# Altium PCB interface_pcb.PcbDoc
Units mm, origin at the board's own origin, x right, y up, seen from the top; angles counter-clockwise.
Board outline 150.97 x 42.8 mm, 2 copper layers (Top Layer, Bottom Layer); 54 components, 58 nets, 232 pads, 49 vias.
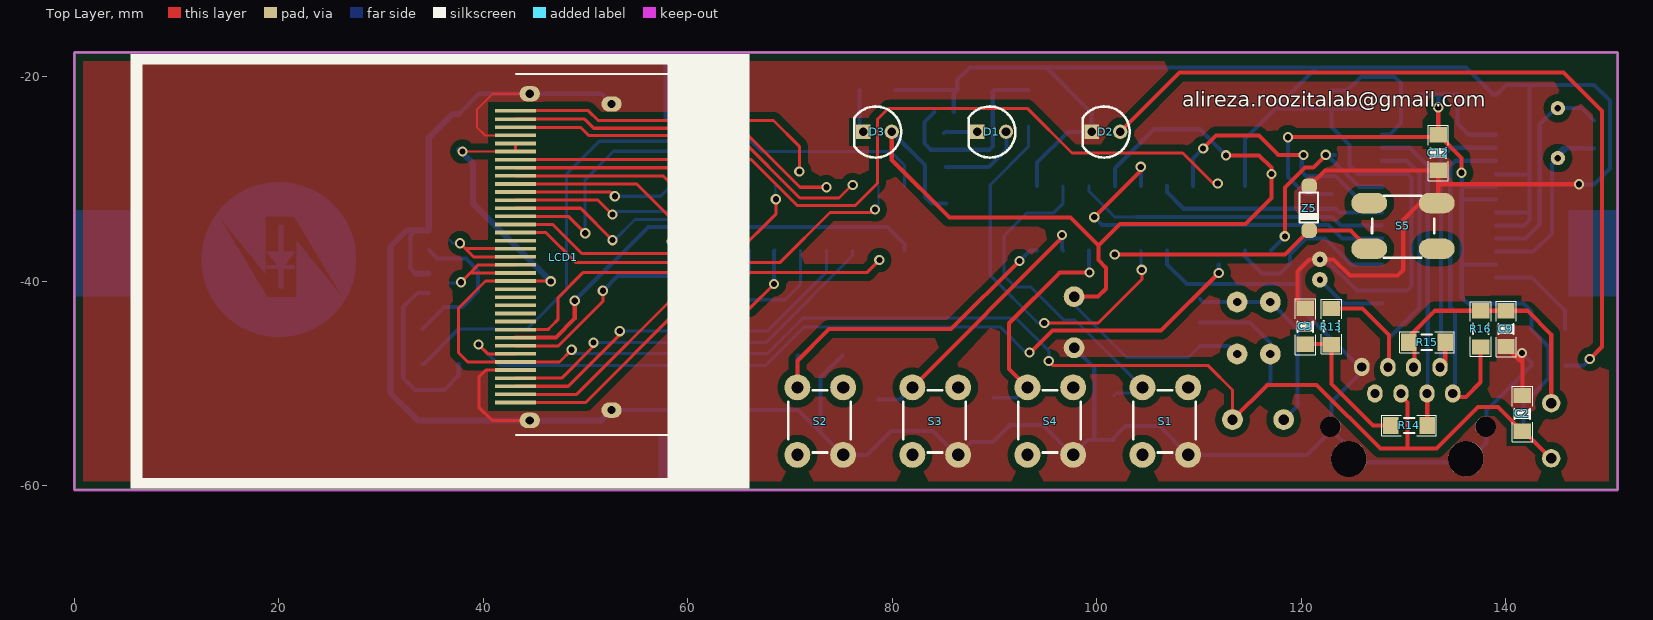
[diagram p0: Top Layer view]
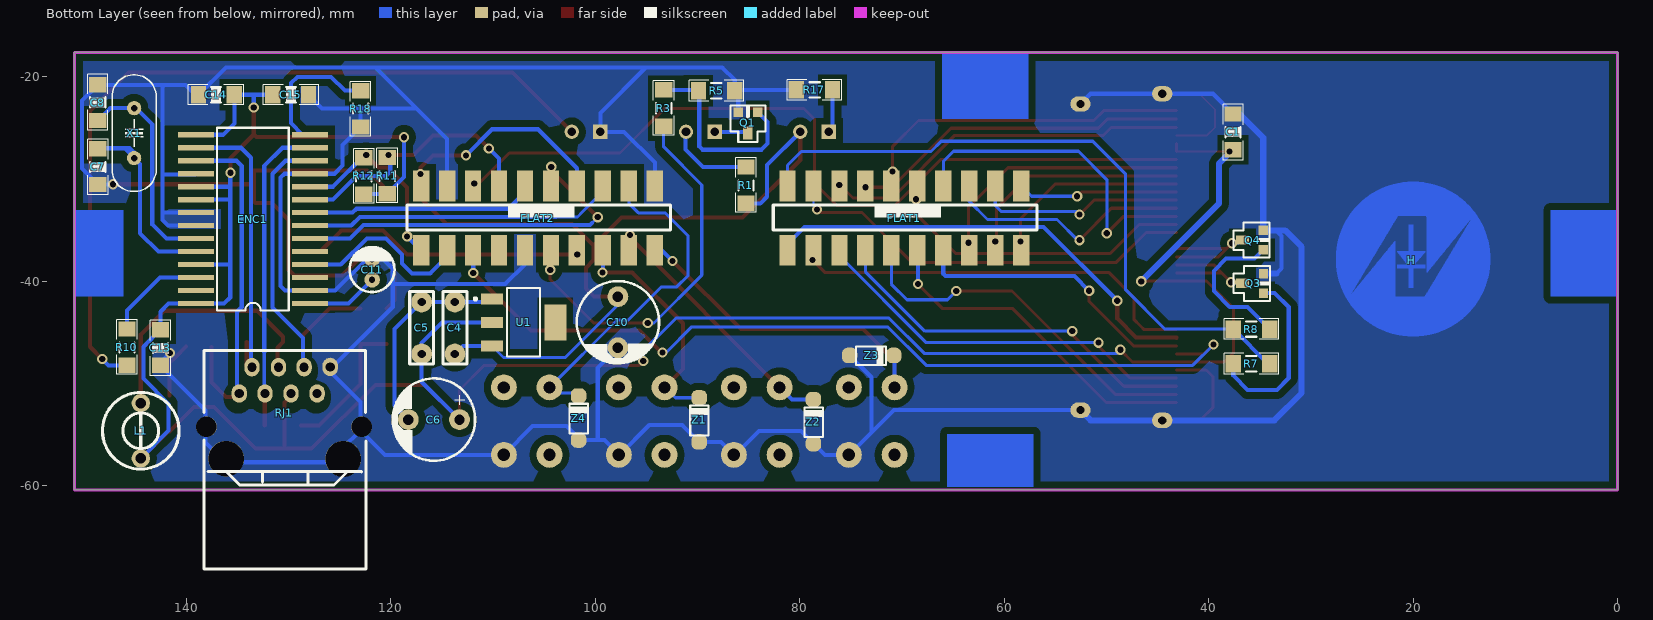
[diagram p1: Bottom Layer view, seen from below]
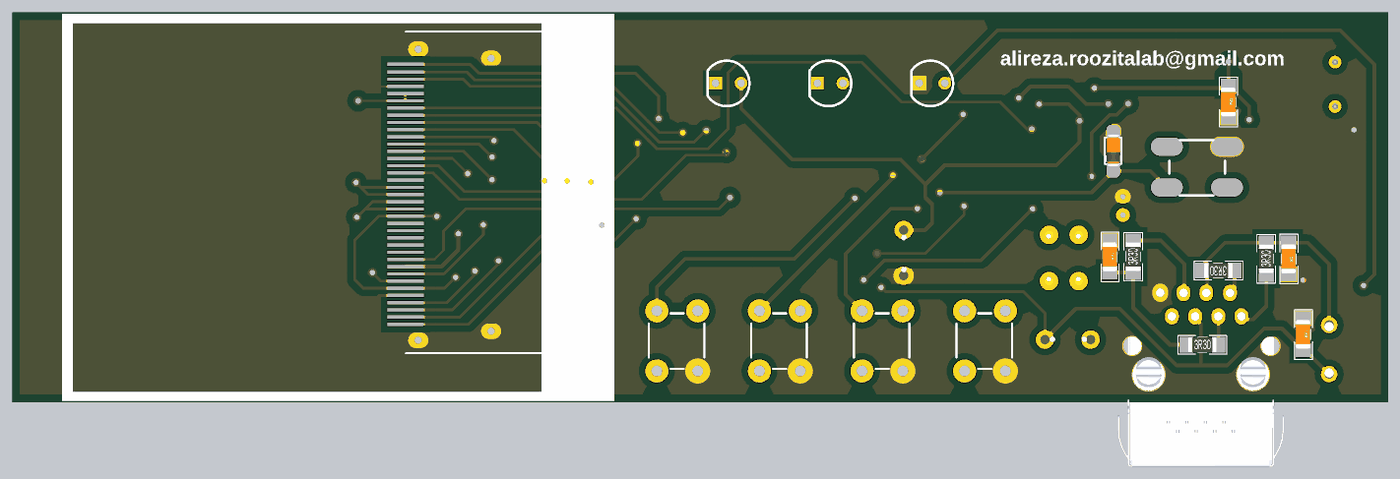
[diagram p2: 3D render of the assembled board from above, using the file's embedded part models]
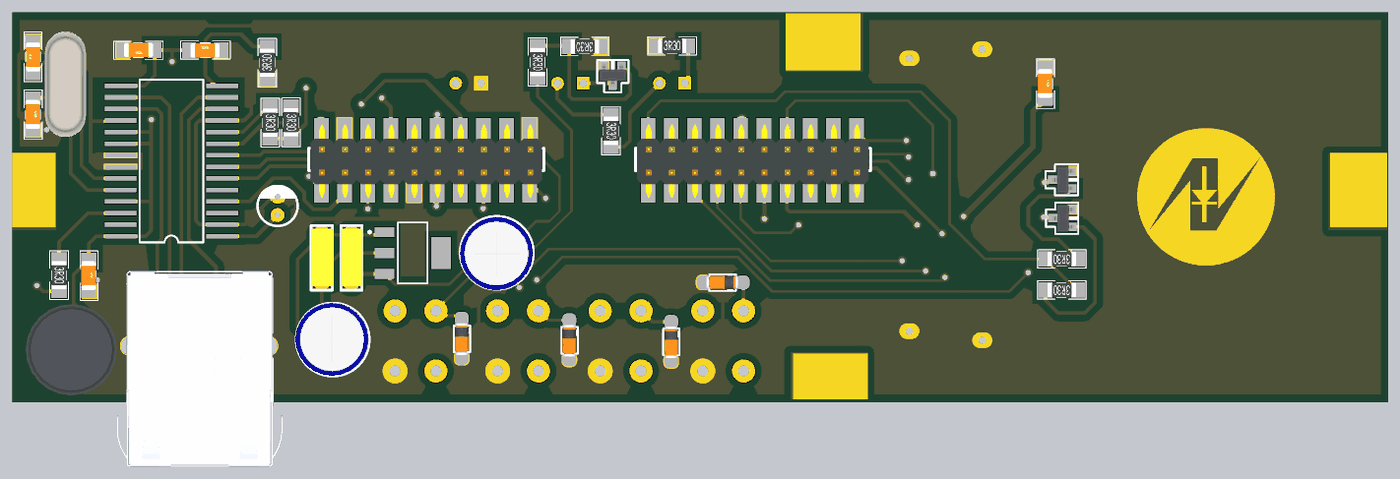
[diagram p3: 3D render of the assembled board from below, using the file's embedded part models]

## Layer stack, top to bottom
Top Solder: solder mask 0.0102, Solder Resist, Dk 3.5
Top Layer: signal copper 0.0356
Dielectric1: dielectric 0.32, FR-4, Dk 4.8
Bottom Layer: signal copper 0.0356
Bottom Solder: solder mask 0.0102, Solder Resist, Dk 3.5

## Board outline
0,-60.425 150.975,-60.425 150.975,-17.625 0,-17.625

## Design rules (kind name [scope] priority, off if disabled: settings)
Clearance [All] p1: gap=0.7 ignorepadtopadclearanceinfootprint=FALSE except(0: Arc-Hole Track-Hole SMDPad-Hole THPad-Hole Via-Hole Fill-Hole Poly-Hole Region-Hole Text-Hole)
FabricationTestPointUsage TestPointUsage [All] p1: valid=0 allowmultiple=FALSE
FabricationTestpoint Testpoint [All] p1: side=3 testpointundercomponent=TRUE minsize=1.016 maxsize=2.54 preferedsize=1.524 minholesize=0 maxholesize=1.016 preferedholesize=0.813 testpointgrid=0.025 allowsidetop=TRUE allowsidebottom=TRUE usegrid=TRUE gridtolerance=0
PlaneConnect [All] p1: planeconnectstyle=Direct reliefexpansion=0.508 reliefentries=4 reliefconductorwidth=0.254 reliefairgap=0.254
PolygonConnect [All] p1: connectstyle=Direct reliefconductorwidth=0.254 reliefentries=4 polygonreliefangle="90 Angle" airgapwidth=0.254
RoutingVias [All] p1: holewidth=0.6 width=1 viastyle="Through Hole" minholewidth=0.6 minwidth=1 maxholewidth=0.6 maxwidth=1
SilkToSolderMaskClearance SilkscreenOverComponentPads [IsPad] p1: minsilkscreentomaskgap=0.254 clearancetoexposedcopper=TRUE
SolderMaskExpansion [All] p1: expansion=0.102
Width [All] p1: maxlimit=0.6 minlimit=0.3 preferedwidth=0.4
26 further rules are at their usual default settings.

## Components (designator, comment, footprint, x,y, rotation, side; value= is the part's Value field where it differs from the comment)
C1 "Cap" "CAP 1206 (3216X08L)" 37.625,-24.15 r270 bottom
C2 "Cap" "CAP 1206 (3216X08L)" 141.65,-51.7 r270 top
C3 "Cap" "CAP 1206 (3216X08L)" 120.425,-43.175 r270 top
C4 "Cap" "REC 10N" 113.75,-42.05 r270 bottom
C5 "Cap" "REC 10N" 117,-42.05 r270 bottom
C6 "Cap Pol1" "POL 100U/25V" 113.3,-53.55 r0 bottom
C7 "Cap" "CAP 1206 (3216X08L)" 148.675,-27.55 r270 bottom
C8 "Cap" "CAP 1206 (3216X08L)" 148.675,-23.8 r90 bottom
C9 "Cap" "CAP 1206 (3216X08L)" 140.05,-43.4 r270 top
C10 "Cap Pol1" "POL 220U/35V" 97.8,-41.525 r270 bottom
C11 "Cap Pol1" "POL 10U16V" 121.85,-38.875 r270 bottom
C12 "Cap" "CAP 1206 (3216X08L)" 133.425,-26.175 r270 top
C13 "Cap" "CAP 1206 (3216X08L)" 142.55,-45.25 r270 bottom
C14 "Cap" "CAP 1206 (3216X08L)" 135.825,-21.775 r0 bottom
C15 "Cap" "CAP 1206 (3216X08L)" 131.075,-21.775 r180 bottom
D1 "LED0" "LED 3MM A" 88.25,-25.5 r0 top
D2 "LED0" "LED 3MM A" 99.425,-25.5 r0 top
D3 "LED0" "LED 3MM A" 77.075,-25.5 r0 top
ENC1 "ENC28J60" SOP28 127.925,-42.2 r90 bottom
FLAT1 "MHDR2X10" "box 20 smd" 58.35,-32.675 r180 bottom
FLAT2 "MHDR2X10" "box 20 smd" 94.19,-32.675 r180 bottom
H "Comment" PCBComponent_1 20.125,-37.975 r180 bottom
L1 "Inductor" TR 144.475,-51.925 r270 bottom
LCD1 "TFT lcd 2.8" "LCD 2.4 37PIN" 66.05,-53.625 r90 top
Q1 "2N3904" 2N3906_SMD 84.125,-23.475 r0 bottom
Q3 "2N3904" 2N3906_SMD 34.65,-41.175 r90 bottom
Q4 "2N3904" 2N3906_SMD 34.675,-36.95 r90 bottom
R1 "Res2" "RES 1206 (3216X08L)" 85.276,-29.349 r270 bottom
R3 "Res2" "RES 1206 (3216X08L)" 93.325,-21.8 r270 bottom
R5 "Res2" "RES 1206 (3216X08L)" 86.875,-21.375 r0 bottom
R7 "Res2" "RES 1206 (3216X08L)" 34.554,-48.099 r0 bottom
R8 "Res2" "RES 1206 (3216X08L)" 34.554,-44.699 r0 bottom
R10 "Res2" "RES 1206 (3216X08L)" 145.825,-45.2 r270 bottom
R11 "Res2" "RES 1206 (3216X08L)" 120.375,-28.425 r270 bottom
R12 "Res2" "RES 1206 (3216X08L)" 122.65,-28.45 r270 bottom
R13 "Res2" "RES 1206 (3216X08L)" 122.975,-45.725 r90 top
R14 "Res2" "RES 1206 (3216X08L)" 129.3,-54.125 r0 top
R15 "Res2" "RES 1206 (3216X08L)" 133.6,-45.975 r180 top
R16 "Res2" "RES 1206 (3216X08L)" 137.575,-45.95 r90 top
R17 "Res1" "RES 1206 (3216X08L)" 79.85,-21.3 r180 bottom
R18 "Res2" "RES 1206 (3216X08L)" 122.975,-24.425 r90 bottom
RJ1 "HR911105A" HR91105 130.375,-57.5 r0 bottom
S1 "SW-DPST" SW4#1 104.479,-57.025 r90 top
S2 "SW-DPST" SW4#1 70.725,-57.025 r90 top
S3 "SW-DPST" SW4#1 81.976,-57.025 r90 top
S4 "SW-DPST" SW4#1 93.228,-57.025 r90 top
S5 "SW-DPST" SW4#2 133.3,-36.85 r180 top
U1 "ASM1117-3.3" SOT-223 107.025,-44.05 r270 bottom
X1 "25MEG" "XTAL Small" 145.125,-25.525 r90 bottom
Z1 "Zener 12V" "Diode-1n4148 - SMD PAD" 89.85,-56.75 r90 bottom
Z2 "Zener 12V" "Diode-1n4148 - SMD PAD" 78.675,-56.925 r90 bottom
Z3 "Zener 12V" "Diode-1n4148 - SMD PAD" 76.15,-47.275 r180 bottom
Z4 "Zener 12V" "Diode-1n4148 - SMD PAD" 101.65,-56.575 r90 bottom
Z5 "Zener 12V" "Diode-1n4148 - SMD PAD" 120.8,-29.7 r270 top

## Footprints (in the part's own frame and the unit in brackets; to place one, negate y for a bottom-side part, rotate by r counter-clockwise, add the part's x,y. Pads: shape width x height; smd on the part's side, far side on the other; paste and mask are expansions set on the pad)
2N3906_SMD [mil]
  rect 36x36 smd: 1(0,0) 2(75,0)
  rect 36x50 smd: 3(38,80)
  silkscreen extent -30,-25 105,115, body extent -20,-9 95,89, height 41
"box 20 smd" [mm]
  rect 1.6x3 smd: 1(0,1.975) 2(0,-4.315) 3(-2.54,1.975) 4(-2.54,-4.315) 5(-5.08,1.975) 6(-5.08,-4.315) 7(-7.62,1.975) 8(-7.62,-4.315) 9(-10.16,1.975) 10(-10.16,-4.315) 11(-12.7,1.975) 12(-12.7,-4.315) 13(-15.24,1.975) 14(-15.24,-4.315) 15(-17.78,1.975) 16(-17.78,-4.315) 17(-20.32,1.975) 18(-20.32,-4.315) 19(-22.86,1.975) 20(-22.86,-4.315)
  silkscreen extent -24.25,-2.32 1.55,0.13, body extent -24.05,-5.28 1.35,2.73, height 10.3
"CAP 1206 (3216X08L)" [mm] "Chip Resistor, 2-Leads, Body 3.2x1.6mm, IPC High Density _ (0.125 W)"
  rect 1.5x1.7 smd: 1(-0.5,0) 2(3,0)
  silkscreen extent -1.43,-0.97 4.03,1, body extent -0.33,-0.83 2.87,0.77, height 1
"Diode-1n4148 - SMD PAD" [mil]
  rrect75% 59.06x60 smd: 1(40,0) 2(210,0)
  silkscreen extent 65,-37 180,34, body extent 52,-29 190,30, height 57
HR91105 [mm] "PHONE CONNECTOR"
  round 2 hole 2: 0(-7.5,-3.25) 0(7.675,-3.25)
  round 3.5 hole 3.5: 0(-5.7,-0.1) 0(5.75,-0.125)
  oval 1.5x1.8 hole 0.9: 1(4.475,-6.5) 2(3.225,-9.075) 3(1.95,-6.5) 4(0.625,-9.075) 5(-0.6,-6.5) 6(-1.875,-9.075) 7(-3.15,-6.5) 8(-4.425,-9.1)
  silkscreen extent -7.93,-10.7 7.9,10.68, body extent -9.08,-11.47 9.13,10.02, height 17.24
"LCD 2.4 37PIN" [mm]
  oval 1.5x2 hole 0.8: 0(0,21.5) 0(1,13.5) 0(30.95,13.5) 0(31.95,21.5)
  rect 0.36x4 smd: 1(1.75,22.9) 2(2.542,22.9) 3(3.333,22.9) 4(4.125,22.9) 5(4.917,22.9) 6(5.708,22.9) 7(6.5,22.9) 8(7.292,22.9) 9(8.083,22.9) 10(8.875,22.9) 11(9.667,22.9) 12(10.458,22.9) 13(11.25,22.9) 14(12.042,22.9) 15(12.833,22.9) 16(13.625,22.9) 17(14.417,22.9) 18(15.208,22.9) 19(16,22.9) 20(16.792,22.9) 21(17.583,22.9) 22(18.375,22.9) 23(19.167,22.9) 24(19.958,22.9) 25(20.75,22.9) 26(21.542,22.9) 27(22.333,22.9) 28(23.125,22.9) 29(23.917,22.9) 30(24.708,22.9) 31(25.5,22.9) 32(26.292,22.9) 33(27.083,22.9) 34(27.875,22.9) 35(28.667,22.9) 36(29.458,22.9) 37(30.3,22.9)
  silkscreen extent -6.65,0 35.85,60.55, body extent -6.75,0.03 35.75,60.58, height 7
"LED 3MM A" [mm]
  round 1.4 hole 0.85: 1(2.889,0.1)
  rect 1.4x1.4 hole 0.85: 2(0.089,0.1)
  silkscreen extent -0.78,-2.42 3.8,2.58
PCBComponent_1 [mm]
  Top Layer drawing of 3178 lines, arcs and shapes, not listed
"POL 10U16V" [mm]
  round 1.524 hole 0.6: 1(1,0) 2(-1,0)
  silkscreen extent -2.2,-2.2 2.2,2.2
"POL 100U/25V" [mil]
  round 80 hole 40: 1(0,0) 2(196.85,0)
  silkscreen extent -60,-158 257,158, body extent -57,-160 260,157, height 473
"POL 220U/35V" [mil]
  round 80 hole 40: 1(0,0) 2(196.85,0)
  silkscreen extent -60,-158 257,158, body extent -57,-160 260,157, height 473
"REC 10N" [mil]
  round 80 hole 32: 1(0,0) 2(200,0)
  silkscreen extent -40,-46 239,46, body extent -26,-46 222,49, height 269
"RES 1206 (3216X08L)" [mm] "Chip Resistor, 2-Leads, Body 3.2x1.6mm, IPC High Density _ (0.125 W)"
  rect 1.5x1.7 smd: 1(-0.508,0) 2(3.048,0)
  silkscreen extent -1.4,-1.02 3.94,1.02, body extent -0.28,-0.8 2.82,0.8, height 0.55
SOP28 [mm]
  rect 0.5x3.5 smd: 1(0,0) 2(1.27,0) 3(2.54,0) 4(3.81,0) 5(5.08,0) 6(6.35,0) 7(7.62,0) 8(8.89,0) 9(10.16,0) 10(11.43,0) 11(12.7,0) 12(13.97,0) 13(15.24,0) 14(16.51,0) 15(16.51,11.15) 16(15.24,11.15) 17(13.97,11.15) 18(12.7,11.15) 19(11.43,11.15) 20(10.16,11.15) 21(8.89,11.15) 22(7.62,11.15) 23(6.35,11.15) 24(5.08,11.15) 25(3.81,11.15) 26(2.54,11.15) 27(1.27,11.15) 28(0,11.15)
  silkscreen extent -0.67,2.07 17.2,9.08
SOT-223 [mm] "SOT-223/SC-73; 4 Leads; Body 6.7 x 7.3 mm, inc. leads (LxW max)"
  rect 1.1x2.15 smd: 1(-2.3,-3.1) 2(0,-3.1) 3(2.3,-3.1)
  rect 3.5x2.15 smd: 4(0,3.1)
  silkscreen extent -3.35,-4.85 3.35,1.63
SW4#1 [mil]
  round 100 hole 47: 1(1.06,-0.16) 2(260.91,-0.16) 3(1.06,-176.53) 4(260.91,-176.53)
  silkscreen extent 10,-205 250,35
SW4#2 [mil]
  oval 137.8x78.74 smd: 1(1.06,-0.16) 2(260.91,-0.16) 3(1.06,-176.53) 4(260.91,-176.53)
  silkscreen extent 10,-205 250,35
TR [mm]
  round 1.8 hole 1.016: 1(0.018,0) 2(5.418,0)
  silkscreen extent -1.03,-3.75 6.47,3.75, body extent -2.25,-5 7.75,5, height 13.63
"XTAL Small" [mil]
  round 55 hole 25: 1(-96.06,0) 2(96.06,0)
  silkscreen extent -225,-85 225,85, body extent -226,-89 226,89, height 140

## Part data
C1 C2 C3 C4 C5 C7 C8 C9 C12 C13 C14 C15: "Capacitor"
C6 C10 C11: "Polarized Capacitor (Radial)"
D1 D2 D3: "Typical INFRARED GaAs LED"
FLAT1 FLAT2: "Header, 10-Pin, Dual row"
Q1 Q3 Q4: "NPN General Purpose Amplifier"
R1 R3 R5 R7 R8 R10 R11 R12 R13 R14 R15 R16 R17 R18: "Resistor"
S1 S2 S3 S4 S5: "Double-Pole, Single-Throw Switch"
X1: library part XTAL, "Crystal Oscillator"
Z1 Z2 Z3 Z4 Z5: library part "D Zener", "Zener Diode"

## Via types
v1: diameter 1, hole 0.6, Top Layer to Bottom Layer, tented both sides, 49 vias

## Nets (pads, with @x,y where several pads share a name; then routed paths per layer and width w, separated by ;. In a path a pad name is that pad's centre, name@x,y a point inside that pad or via, vN(x,y) a via of type N, cw(c..) or ccw(c..) an arc to the next point about the centre after c; other vN are vias at no path point)
3.3V: C1.2 C2.2 C5.2 C6.1 C12.1 C13.1 C14.1 C15.1 ENC1.15 ENC1.19 ENC1.20 ENC1.25 ENC1.28 L1.2 LCD1.6 LCD1.16 LCD1.32 LCD1.33 R11.2 R12.2 RJ1.5 U1.2 | length 272.4
  Top Layer w0.2: v1(37.958,-27.333) LCD1.32
  Top Layer w0.3: LCD1.32 LCD1.33 ; v1(46.6,-40.025) 46.575,-40 LCD1.16 40.225,-40 37.575,-42.65 37.575,-47 38.492,-47.917 LCD1.6 47.458,-47.917 v1(48.65,-46.725) ; v1(95.325,-47.825) 95.775,-48.275 110.925,-48.275 113.3,-50.65 C6.1
  Top Layer w0.4: C6.1 116.7,-50.15 121.525,-50.15 127.761,-56.386 130.4,-56.386 ; v1(118.725,-25.925) 133.175,-25.925 C12.1 ; RJ1.5@129.875,-51.35 130.4,-51.875 130.4,-56.386 ; v1(133.425,-23.025) C12.1 ; v1(135.7,-29.4) 135.7,-27.95 C12.1 ; L1.2 141.832,-54.7 C2.2 139.275,-52.325 137.325,-52.325 133.264,-56.386 130.4,-56.386
  Bottom Layer w0.2: C1.2@37.875,-27.25 v1(37.958,-27.333)
  Bottom Layer w0.3: v1(48.65,-46.725) 49,-47.075 67.835,-47.075 71.285,-43.625 92.125,-43.625 95.325,-46.825 v1(95.325,-47.825)
  Bottom Layer w0.4: U1.2 115,-44.05 117,-46.05 C5.2 117,-49.85 C6.1 ; v1(118.725,-25.925) 118.725,-29.823 R11.2 ; R11.2@120.525,-31.473 122.65,-31.473 R12.2@123,-31.473 ; C15.1 C14.1 135.325,-24.575 136.44,-25.69 ENC1.15 ; v1(133.425,-23.025) 133.425,-21.8 ; v1(135.7,-29.4) 135.725,-29.425 135.725,-32.125 ; 135.745,-30.77 ENC1.19 ; ENC1.25 135.79,-38.39 135.725,-38.325 ; ENC1.20 135.81,-32.04 135.725,-32.125 ; L1.2 141.75,-54.618 141.75,-52.025 144.225,-49.55 144.225,-46.425 C13.1 142.55,-43 141.75,-42.2 ENC1.28 136.325,-42.2 135.725,-41.6 135.725,-38.325 ; 135.725,-38.325 135.725,-32.125
  Bottom Layer w0.6: C1.2 37.883,-27.408 39,-28.525 39,-32.425 v1(46.6,-40.025)
+5V: C4.2 C10.1 D3.1 FLAT2.7 FLAT2.19 R1.2 U1.3 | length 106.1
  Top Layer w0.4: D3.1 79.964,-28.164 85.6,-33.8 97.45,-33.8 100.175,-36.525 ; C10.1 100.15,-41.525 100.925,-40.75 100.925,-38.7 100.175,-37.95 100.175,-36.525 ; v1(112.656,-27.7) 115.9,-27.7 117.1,-28.9 v1(117.1,-29.525) 117.1,-31.875 114.575,-34.4 102.3,-34.4 100.175,-36.525
  Bottom Layer w0.3: C10.1 97.8,-42.325 102.95,-47.475 109,-47.475 U1.3
  Bottom Layer w0.4: D3.1 83.225,-28.661 83.225,-31.75 83.872,-32.397 R1.2 ; FLAT2.7 101.81,-28.965 105.625,-25.15 110.106,-25.15 v1(112.656,-27.7) ; U1.3 112.97,-46.35 C4.2
/CS: FLAT2.16 LCD1.7 | length 83.9
  Top Layer w0.3: v1(39.525,-46.2) 40.45,-47.125 LCD1.7
  Top Layer w0.4: v1(93.425,-47) 93.531,-47 95.681,-44.85 106.3,-44.85 v1(111.95,-39.2)
  Bottom Layer w0.3: v1(39.525,-46.2) 41.575,-48.25 67.65,-48.25 71.425,-44.475 90.575,-44.475 93.1,-47 v1(93.425,-47)
  Bottom Layer w0.4: v1(111.95,-39.2) FLAT2.16@111.95,-38.375
/RD: FLAT1.18 LCD1.10 | length 40.6
  Top Layer w0.3: LCD1.10 46.325,-44.75 46.675,-44.4 ; 47.175,-43.9 46.675,-44.4 ; v1(78.75,-37.95) 77.525,-39.175 49.75,-39.175 47.325,-41.6 47.325,-43.75 46.675,-44.4
  Bottom Layer w0.3: v1(78.75,-37.95) FLAT1.18@78.75,-37.775
/WR: FLAT1.20 LCD1.9 | length 44.9
  Top Layer w0.4: LCD1.9 43.162,-45.53 47.101,-45.53 48.95,-43.681 v1(48.95,-41.925)
  Bottom Layer w0.4: v1(48.95,-41.925) 56.15,-34.725 79.553,-34.725 81.21,-36.382 FLAT1.20
CS_ENC: ENC1.9 FLAT2.13 R11.1 | length 25.7
  Top Layer w0.4: v1(110.425,-27.025) 111.675,-25.775 115.875,-25.775 117.775,-27.675 v1(120.25,-27.675)
  Bottom Layer w0.4: FLAT2.13 109.43,-28.02 v1(110.425,-27.025) ; R11.1@120.075,-27.817 120.075,-27.917 120.075,-29.325 120.475,-29.725 123.36,-29.725 125.675,-32.04 ENC1.9
GND: C1.1 C2.1 C3.1 C7.2 C8.2 C9.2 C10.2 C11.2 C12.2 C13.2 C14.2 C15.2 D2.2 ENC1.2 ENC1.11 ENC1.18 ENC1.21 ENC1.22 FLAT2.1 FLAT2.12 FLAT2.17 LCD1.0 LCD1.5 LCD1.34 Q1.2 Q3.2 Q4.2 R5.1 R17.1 R18.1 RJ1.0 RJ1.8 S1.3 S2.3 S3.3 S4.3 S5.3 Z1.1 Z2.1 Z3.1 Z4.1 Z5.1 | length 513.5
  Top Layer w0.2: LCD1.34 40.175,-25.75 39.375,-24.95 39.375,-23.25 40.95,-21.675 LCD1.0@44.55,-21.675
  Top Layer w0.3: LCD1.5 40.252,-48.708 39.575,-49.385 39.575,-52.35 40.85,-53.625 LCD1.0@44.55,-53.625
  Top Layer w0.4: C3.1 119.65,-41.9 119.65,-39.075 120.85,-37.875 C11.2 123.175,-37.875 124.775,-39.475 129.45,-39.475 130,-38.925 130,-34.025 131.659,-32.366 S5.3 133.425,-32.214 133.425,-30.475 ; Z5.1 122.341,-29.175 C12.2 133.425,-30.475 ; C9.2 141.15,-47.5 141.65,-48 ; v1(141.625,-47.025) 141.65,-47.05 141.65,-48 ; C2.1 141.65,-48 ; v1(147.2,-30.525) 133.475,-30.525 133.425,-30.475
  Bottom Layer w0.4: 33.395,-39.27 32.875,-38.75 32.875,-35.575 33.405,-35.045 ; C1.1 39.6,-21.675 44.55,-21.675 51.55,-21.675 LCD1.0@52.55,-22.675 ; LCD1.0@52.55,-52.625 70.811,-52.625 73,-54.814 ; Z3.1 73,-49.409 73,-54.814 ; R17.1 86.292,-21.3 R5.1 ; Q1.2 86.03,-21.712 R5.1 ; FLAT2.1 94.19,-28.41 97.2,-25.4 D2.2 99.514,-23.539 95.079,-19.104 ; C10.2 99.775,-48.5 99.775,-55.559 ; FLAT2.12 106.89,-38.365 108.825,-40.3 119.75,-40.3 119.825,-40.225 ; FLAT2.17 114.51,-26.09 117.5,-23.1 ; RJ1.8@126.05,-48.65 RJ1.8@126.05,-48.75 ; C15.2 126.75,-23.1 122.9,-23.1 ; C14.2@138.9,-21.775 C14.2 ; C14.2@138.95,-21.65 C14.2 ; ENC1.22 141.807,-34.58 142.357,-34.03 142.357,-33.2 ; ENC1.18 139.139,-29.564 142.357,-29.564 ; ENC1.21@139.083,-33.302 ENC1.21 142.247,-33.31 142.357,-33.2 ; v1(141.625,-47.025) 142.55,-47.95 C13.2 138.15,-52.65 138.15,-54.6 138.15,-55.8 136.225,-57.725 124.8,-57.725 124.775,-57.75 124.775,-56.4 RJ1.0@122.975,-54.6 ; v1(147.2,-30.525) 147.225,-30.55 C7.2 ; C7.2@148.601,-30.476 C7.2 ; 73,-54.814 75.196,-57.01 75.209,-57.023 77.561,-57.023 Z2.1 78.675,-55.875 79.9,-54.65 83.986,-54.65 86.384,-57.048 86.447,-56.985 87.698,-55.734 Z1.1 91.509,-54.075 94.736,-54.075 97.659,-56.998 97.685,-56.972 99.098,-55.559 99.775,-55.559 ; R5.1 86.367,-20.333 87.596,-19.104 95.079,-19.104 ; 95.079,-19.104 121.496,-19.104 ; 99.775,-55.559 Z4.1 101.65,-55.35 102.825,-54.175 106.14,-54.175 S1.3 120.577,-56.998 RJ1.0@122.975,-54.6 ; 117.5,-23.1 122.9,-23.1 ; 117.5,-23.1 121.496,-19.104 ; 119.825,-40.225 119.825,-38.775 120.725,-37.875 C11.2 122.4,-37.875 125.455,-40.93 ENC1.2 130.37,-40.93 130.8,-40.5 130.8,-29.875 130.425,-29.5 ENC1.11 125.525,-29.5 124.725,-28.7 124.725,-26.683 R18.1 122.975,-23.175 122.9,-23.1 ; 119.825,-40.225 119.825,-42.525 RJ1.8@126.05,-48.75 ; 121.496,-19.104 136.154,-19.104 C14.2 ; RJ1.0@122.975,-54.6 122.975,-51.825 RJ1.8@126.05,-48.75 ; C14.2 139.125,-21.775 140.1,-20.8 142.357,-20.8 ; 142.357,-33.2 142.357,-29.564 ; 142.357,-29.564 142.357,-21.011 142.251,-20.905 142.357,-20.8 ; 142.357,-20.8 C8.2 150.225,-22.35 150.225,-29 C7.2
  Bottom Layer w0.6: 33.395,-39.27 Q3.2 ; C1.1 37,-23.65 34.675,-25.975 Q4.2 33.405,-35.045 32.53,-35.045 30.925,-36.65 30.925,-50.95 33.6,-53.625 44.55,-53.625 51.55,-53.625 LCD1.0@52.55,-52.625
INT_ENC: ENC1.4 FLAT2.18 | length 17.7
  Bottom Layer w0.4: FLAT2.18 114.51,-37.599 116.161,-39.25 117.939,-39.25 118.925,-38.264 118.925,-37.4 120.5,-35.825 122.35,-35.825 124.915,-38.39 ENC1.4
KEY1: FLAT2.3 S1.2 Z4.2 | length 34
  Bottom Layer w0.3: FLAT2.3 96.73,-32.395 95.8,-33.325 93.2,-33.325 90.925,-35.6 90.925,-39.45 92.045,-40.57 93.545,-40.57 96.775,-43.8 97.885,-43.8 S1.2 103.94,-50.941 101.95,-50.941 Z4.2
KEY2: FLAT2.2 S2.2 Z3.2 | length 33.7
  Top Layer w0.4: S2.2 70.729,-47.796 73.825,-44.7 85.775,-44.7 v1(92.45,-38.025)
  Bottom Layer w0.4: S2.2@70.729,-50.423 S2.2 70.729,-47.362 Z3.2 ; v1(92.45,-38.025) 93.485,-36.99 FLAT2.2
KEY3: FLAT2.4 S3.2 Z2.2 | length 26.2
  Top Layer w0.4: S3.2 96.625,-35.753 v1(96.625,-35.5)
  Bottom Layer w0.4: Z2.2 80.761,-51.591 S3.2@81.904,-50.448 ; v1(96.625,-35.5) 96.625,-36.885 FLAT2.4
KEY4: FLAT2.6 S4.2 Z1.2 | length 22.9
  Top Layer w0.4: S4.2 91.45,-48.616 91.45,-44.125 96.4,-39.175 v1(99.3,-39.175)
  Bottom Layer w0.3: Z1.2 92.161,-51.416 93.179,-50.398 S4.2
  Bottom Layer w0.4: FLAT2.6 99.27,-39.145 v1(99.3,-39.175)
LCDD0: FLAT1.10 LCD1.1 | length 33.4
  Top Layer w0.3: LCD1.1 50.025,-51.875 59.226,-42.674 66.076,-42.674 v1(68.45,-40.3)
  Bottom Layer w0.4: v1(68.45,-40.3) 68.45,-37.05 FLAT1.10
LCDD1: FLAT1.12 LCD1.2 | length 36.4
  Top Layer w0.3: LCD1.2 49.142,-51.083 59.25,-40.975 v1(64.7,-40.975)
  Bottom Layer w0.3: v1(64.7,-40.975) 65.55,-41.825 69.525,-41.825 71.05,-40.3 FLAT1.12
LCDD2: FLAT1.14 LCD1.3 | length 37.4
  Top Layer w0.3: LCD1.3 48.308,-50.292 53.35,-45.25 v1(53.35,-44.9)
  Bottom Layer w0.3: v1(53.35,-44.9) 67.775,-44.9 73.59,-39.085 FLAT1.14
LCDD3: FLAT1.16 LCD1.4 | length 38.7
  Top Layer w0.3: LCD1.4 47.675,-49.5 50.775,-46.4 v1(50.775,-46.025)
  Bottom Layer w0.3: v1(50.775,-46.025) 67.64,-46.025 76.13,-37.535 FLAT1.16
LCDD4: FLAT1.17 LCD1.22 | length 41
  Top Layer w0.3: LCD1.22 46.125,-35.25 49.04,-38.165 69.065,-38.165 73.93,-33.3 78.025,-33.3 v1(78.325,-33)
  Bottom Layer w0.2: v1(78.325,-33) 78.67,-32.655 FLAT1.17
LCDD5: FLAT1.15 LCD1.35 | length 36.4
  Top Layer w0.2: v1@76.075,-30.6 v1(76.15,-30.6)
  Top Layer w0.3: LCD1.35 49.508,-24.958 50.3,-25.75 64.85,-25.75 70.975,-31.875 74.8,-31.875 v1@76.075,-30.6
LCDD6: FLAT1.13 LCD1.36 | length 33.3
  Top Layer w0.3: LCD1.36 49.917,-24.167 50.8,-25.05 65.215,-25.05 70.99,-30.825 v1(73.575,-30.825)
  Bottom Layer w0.2: v1(73.575,-30.825) FLAT1.13@73.625,-30.775
LCDD7: FLAT1.11 LCD1.37 | length 31.9
  Top Layer w0.3: LCD1.37 50.275,-23.325 51.25,-24.3 68.4,-24.3 70.925,-26.825 v1(70.925,-29.275)
  Bottom Layer w0.2: v1(70.925,-29.275) FLAT1.11@71.05,-29.4
LCDD8: FLAT1.9 LCD1.23 | length 36.5
  Top Layer w0.3: LCD1.23 46.808,-34.458 49.65,-37.3 64.75,-37.3 ; 68.6,-33.45 64.751,-37.299 ; v1(68.625,-32) 68.65,-32.025 68.65,-33.4 64.751,-37.299
  Bottom Layer w0.2: FLAT1.9 68.6,-30.79 FLAT1.9@68.6,-32
LCDD9: FLAT1.7 LCD1.24 | length 32.7
  Top Layer w0.2: v1@49.638,-34.987 v1(49.975,-35.325)
  Top Layer w0.3: LCD1.24 48.317,-33.667 v1@49.638,-34.987
  Bottom Layer w0.3: v1(49.975,-35.325) 49.975,-30.075 52.75,-27.3 64.975,-27.3 65.97,-28.295 FLAT1.7
LCDD10: FLAT1.5 LCD1.25 | length 24.6
  Top Layer w0.3: LCD1.25 49.525,-32.875 v1(52.65,-36)
  Bottom Layer w0.3: v1(52.65,-36) 52.815,-36 54.84,-33.975 61.65,-33.975 63.43,-32.195 FLAT1.5
LCDD11: FLAT1.3 LCD1.26 | length 20.6
  Top Layer w0.3: LCD1.26 51.233,-32.083 v1(52.65,-33.5)
  Bottom Layer w0.3: v1(52.65,-33.5) 52.95,-33.2 60.3,-33.2 60.89,-32.61 FLAT1.3
LCDD12: FLAT1.1 LCD1.27 | length 15.8
  Top Layer w0.3: LCD1.27 52.467,-31.292 v1(52.875,-31.7)
  Bottom Layer w0.3: v1(52.875,-31.7) 57.35,-31.7 FLAT1.1
LCDD13: FLAT1.2 LCD1.28 | length 19.8
  Top Layer w0.3: LCD1.28 55.025,-30.5 58.425,-33.9 v1(58.425,-36.125)
  Bottom Layer w0.2: FLAT1.2 58.425,-36.915 v1(58.425,-36.125)
LCDD14: FLAT1.4 LCD1.29 | length 23
  Top Layer w0.3: LCD1.29 57.583,-29.708 60.75,-32.875 v1@60.75,-36.125
  Bottom Layer w0.2: FLAT1.4 v1(60.89,-36.125)
LCDD15: FLAT1.6 LCD1.30 | length 27.2
  Top Layer w0.3: LCD1.30 59.642,-28.917 63.525,-32.8 63.525,-34.327 ; v1(63.5,-36.25) 63.525,-36.225 63.525,-34.327 ; 63.525,-35.35 63.525,-34.327
  Bottom Layer w0.2: FLAT1.6 FLAT1.6@63.43,-36.25
LED1: FLAT2.10 R3.2 | length 37.5
  Top Layer w0.3: v1(94.875,-44.1) 100.175,-44.1 104.425,-39.85 v1(104.425,-38.9)
  Bottom Layer w0.3: R3.2 93.325,-26.875 89.6,-30.6 89.6,-39.425 94.275,-44.1 v1(94.875,-44.1) ; FLAT2.10 104.35,-38.825 v1(104.425,-38.9)
LEDBK1: FLAT1.19 R7.1 R8.2 | length 65.8
  Bottom Layer w0.3: R8.2 42.902,-44.699 44.276,-44.699 48.125,-40.85 48.125,-29.55 51.35,-26.325 66.175,-26.325 67.175,-27.325 79.85,-27.325 81.21,-28.685 FLAT1.19
  Bottom Layer w0.4: R7.1 34.202,-48.099 R8.2
MISO_ENC: ENC1.6 FLAT2.9 | length 37.7
  Top Layer w0.4: v1(99.775,-33.75) 104.325,-29.2 v1(104.325,-28.825)
  Bottom Layer w0.3: v1(99.775,-33.75) 100.34,-34.315
  Bottom Layer w0.4: 100.34,-34.315 100.55,-34.525 122.7,-34.525 124.025,-35.85 ENC1.6 ; v1(104.325,-28.825) 104.35,-28.85 FLAT2.9
MOSI_ENC: ENC1.7 FLAT2.5 | length 30.6
  Bottom Layer w0.3: FLAT2.5 99.27,-31.238 101.307,-33.275 101.757,-33.725 103.85,-33.725
  Bottom Layer w0.4: 103.85,-33.725 123.031,-33.725 123.886,-34.58 ENC1.7
NetC3_2: C3.2 R13.1 R14.1 | length 13.9
  Top Layer w0.4: C3.2 122.917,-46.175 R13.1 122.975,-50.075 127.025,-54.125 R14.1
NetC4_1: C4.1 C5.1 C6.2 U1.1 | length 20.2
  Bottom Layer w0.4: U1.1 110.425,-42.05 C4.1 C5.1 119.65,-44.7 119.65,-52.2 C6.2
NetC7_1: C7.1 ENC1.24 X1.1 | length 21.1
  Bottom Layer w0.4: ENC1.24 142.755,-37.12 144.55,-35.325 144.55,-28.54 X1.1 146.04,-27.05 C7.1 ; X1.1@144.85,-27.69 145.565,-26.975 C7.1@147.875,-26.975
NetC8_1: C8.1 ENC1.23 X1.2 | length 21
  Bottom Layer w0.4: ENC1.23 141.975,-35.85 143.351,-34.473 143.351,-24.684 X1.2@144.95,-23.085 ; X1.2 147.46,-23.085 C8.1
NetC9_1: C9.1 L1.1 R15.2 R16.2 RJ1.4 | length 26.2
  Top Layer w0.4: RJ1.4@131.1,-48.775 131.1,-46.523 R15.2 130.552,-45.448 133.1,-42.9 C9.1 142.15,-42.9 144.475,-45.225 L1.1
NetC11_1: C11.1 ENC1.1 | length 7
  Bottom Layer w0.4: C11.1 124.175,-42.2 ENC1.1
NetD1_1: D1.1 R1.1 | length 8.4
  Bottom Layer w0.4: R1.1 89.484,-28.841 91.189,-27.136 D1.1@91.189,-25.4
NetD1_2: D1.2 Q1.3 | length 3.3
  Bottom Layer w0.4: Q1.3 85.197,-25.4 D1.2
NetD2_1: D2.1 R10.2 | length 78.5
  Top Layer w0.4: D2.1 108.114,-19.6 145.675,-19.6 149.45,-23.375 149.45,-46.425 v1(148.25,-47.625)
  Bottom Layer w0.4: R10.2 147.627,-48.248 v1(148.25,-47.625)
NetD3_2: D3.2 R17.2 | length 4.3
  Bottom Layer w0.4: R17.2 76.802,-25.038 D3.2
NetENC1_14: ENC1.14 R18.2 | length 13.8
  Bottom Layer w0.4: R18.2 124.498,-21.377 125.85,-20.025 129.156,-20.025 129.775,-20.644 129.775,-24.55 128.635,-25.69 ENC1.14
NetENC1_26: ENC1.26 R10.1 | length 9.9
  Bottom Layer w0.4: ENC1.26 142.61,-39.66 145.825,-42.875 R10.1
NetLCD1_17: LCD1.17 LCD1.18 Q3.3 | length 11.7
  Top Layer w0.3: v1(37.815,-40.11) 38.717,-39.208 ; LCD1.17 38.717,-39.208 ; LCD1.18 39.508,-38.417 38.717,-39.208
  Bottom Layer w0.2: v1@37.815,-40.21 v1(37.815,-40.11)
  Bottom Layer w0.3: Q3.3 v1@37.815,-40.21
NetLCD1_19: LCD1.19 LCD1.20 Q4.3 | length 12
  Top Layer w0.3: v1(37.725,-36.3) 38.258,-36.833 ; LCD1.19 39.05,-37.625 38.258,-36.833 ; LCD1.20 38.258,-36.833
  Bottom Layer w0.2: Q4.3 37.022,-36.3 v1(37.725,-36.3)
NetQ1_2: Q1.1 R3.1 R5.2 | length 19.5
  Bottom Layer w0.4: Q1.1 83.15,-24.45 83.15,-26.55 83.75,-27.15 89.525,-27.15 89.839,-26.836 89.839,-21.459 R5.2 90.006,-21.292 R3.1
NetQ3_2: Q3.1 R7.2 | length 17.6
  Bottom Layer w0.4: Q3.1 33.55,-41.175 32.175,-42.55 32.175,-49.5 33.325,-50.65 36.2,-50.65 37.602,-49.248 R7.2
NetQ4_2: Q4.1 R8.1 | length 14.6
  Bottom Layer w0.4: R8.1 36.22,-42.525 37.95,-42.525 39.5,-40.975 39.5,-39 38.3,-37.8 35.525,-37.8 Q4.1
RS-LCD: FLAT1.8 LCD1.8 | length 28.6
  Top Layer w0.3: LCD1.8 47.358,-46.333 51.7,-41.991 v1(51.7,-40.95)
  Bottom Layer w0.4: v1(51.7,-40.95) 53.15,-39.5 65.75,-39.5 65.97,-39.28 FLAT1.8
RST_ENC: ENC1.10 FLAT2.20 R12.1 | length 19.5
  Top Layer w0.4: v1(118.415,-35.625) 118.415,-30.86 120.4,-28.875 121.2,-28.875 v1(122.425,-27.65)
  Bottom Layer w0.4: FLAT2.20 v1(118.415,-35.625) ; v1(122.425,-27.65) 122.65,-27.65 R12.1@123.325,-27.65 ; R12.1@122.55,-27.867 122.65,-27.867 122.761,-27.867 125.664,-30.77 ENC1.10
SCK_ENC: ENC1.8 FLAT2.11 | length 22.5
  Bottom Layer w0.4: FLAT2.11 106.89,-31.308 108.507,-32.925 123.363,-32.925 123.748,-33.31 ENC1.8
TFT-RST: FLAT2.15 LCD1.31 | length 81.2
  Top Layer w0.3: LCD1.31 66.235,-28.125 70.71,-32.6 76.4,-32.6 78.55,-30.45 78.55,-24.2 79.65,-23.1 93.225,-23.1 97.6,-27.475 108.425,-27.475 111.4,-30.45 v1(111.85,-30.45)
TPIN+: ENC1.13 R14.2 RJ1.3 | length 30.6
  Top Layer w0.4: R14.2 132.348,-51.427 RJ1.3@132.425,-51.35
  Bottom Layer w0.3: 132.4,-46.952 132.4,-51.325 RJ1.3@132.425,-51.35
  Bottom Layer w0.4: ENC1.13 130.61,-26.96 132.4,-28.75 132.4,-46.952
TPIN-: ENC1.12 R13.2 RJ1.6 | length 34.9
  Top Layer w0.4: R13.2 126.002,-42.677 128.6,-45.275 RJ1.6@128.6,-48.775
  Bottom Layer w0.4: ENC1.12 130.33,-28.23 131.6,-29.5 131.6,-42.575 128.6,-45.575 RJ1.6@128.6,-48.775
TPOUT+: ENC1.17 R16.1 RJ1.1 | length 34.2
  Top Layer w0.4: RJ1.1@134.95,-51.35 136.125,-51.35 137.575,-49.9 R16.1
  Bottom Layer w0.4: RJ1.1@134.95,-51.35 135.05,-51.25 135.05,-43 134.6,-42.55 134.6,-28.75 135.12,-28.23 ENC1.17
TPOUT-: ENC1.16 R15.1 RJ1.2 | length 29.6
  Top Layer w0.4: RJ1.2@133.7,-48.775 134.108,-48.367 R15.1
  Bottom Layer w0.4: RJ1.2@133.7,-48.775 133.7,-27.935 134.675,-26.96 ENC1.16
WPS: FLAT2.8 S5.2 Z5.2 | length 26.7
  Top Layer w0.4: v1(101.775,-37.4) 118.434,-37.4 Z5.2 124.861,-35.034 S5.2
  Bottom Layer w0.4: FLAT2.8@101.725,-37.45 v1(101.775,-37.4)
pads on no net: ENC1.3 ENC1.5 ENC1.27 FLAT2.14 LCD1.11 LCD1.12 LCD1.13 LCD1.14 LCD1.15 LCD1.21 RJ1.7 S1.1 S1.4 S2.1 S2.4 S3.1 S3.4 S4.1 S4.4 S5.1 S5.4 U1.4

## Polygon pours and split planes (outlines as drawn)
GND on Top Layer "GNDtt" (solid, remove dead copper, pour order 0): 0,-18.1 0,-60.225 0.2,-60.425 0.3,-60.525 151.275,-60.525 151.275,-17.925 150.975,-17.625
GND on Bottom Layer "GNDbb" (solid, remove dead copper, pour order 2): 0,-17.625 0,-60.225 150.775,-60.225 150.975,-60.425 150.975,-17.625

## Keep-outs
Keep-Out Layer:
  the board outline again, w0.3

## Other copper
Bottom Layer:
  rectangle: 146.15,-41.525 150.975,-33.05
  region: 6.55,-33.05 0.15,-33.05 0.15,-41.525 6.55,-41.525
  region: 66.1,-24.125 66.1,-17.725 57.625,-17.725 57.625,-24.125
  region: 57.125,-54.95 57.125,-60.125 65.6,-60.125 65.6,-54.95

## Silkscreen, mask and mechanical layers (free items; w line width, h text height)
Top Overlay:
  text "alireza.roozitalab@gmail.com" at 108.375,-23.425 h2.52
Bottom Solder:
  rectangle: 146.225,-41.225 150.975,-33.05
  region: 6.4,-33.05 0.15,-33.05 0.15,-41.225 6.4,-41.225
  region: 66.1,-23.975 66.1,-17.725 57.925,-17.725 57.925,-23.975
  region: 57.125,-55.075 57.125,-60.125 65.3,-60.125 65.3,-55.075
Mechanical 15:
  lines w0.2: 67.127,-57.048 108.959,-57.048